# Altium PCB unisat_top.PcbDoc (part 1 of 2)
Units mm, origin at the board's own origin, x right, y up, seen from the top; angles counter-clockwise.
Board outline 111 x 111 mm, 2 copper layers (Top Layer, Bottom Layer), stack 0.98 mm thick; 125 components, 78 nets, 412 pads, 405 vias.
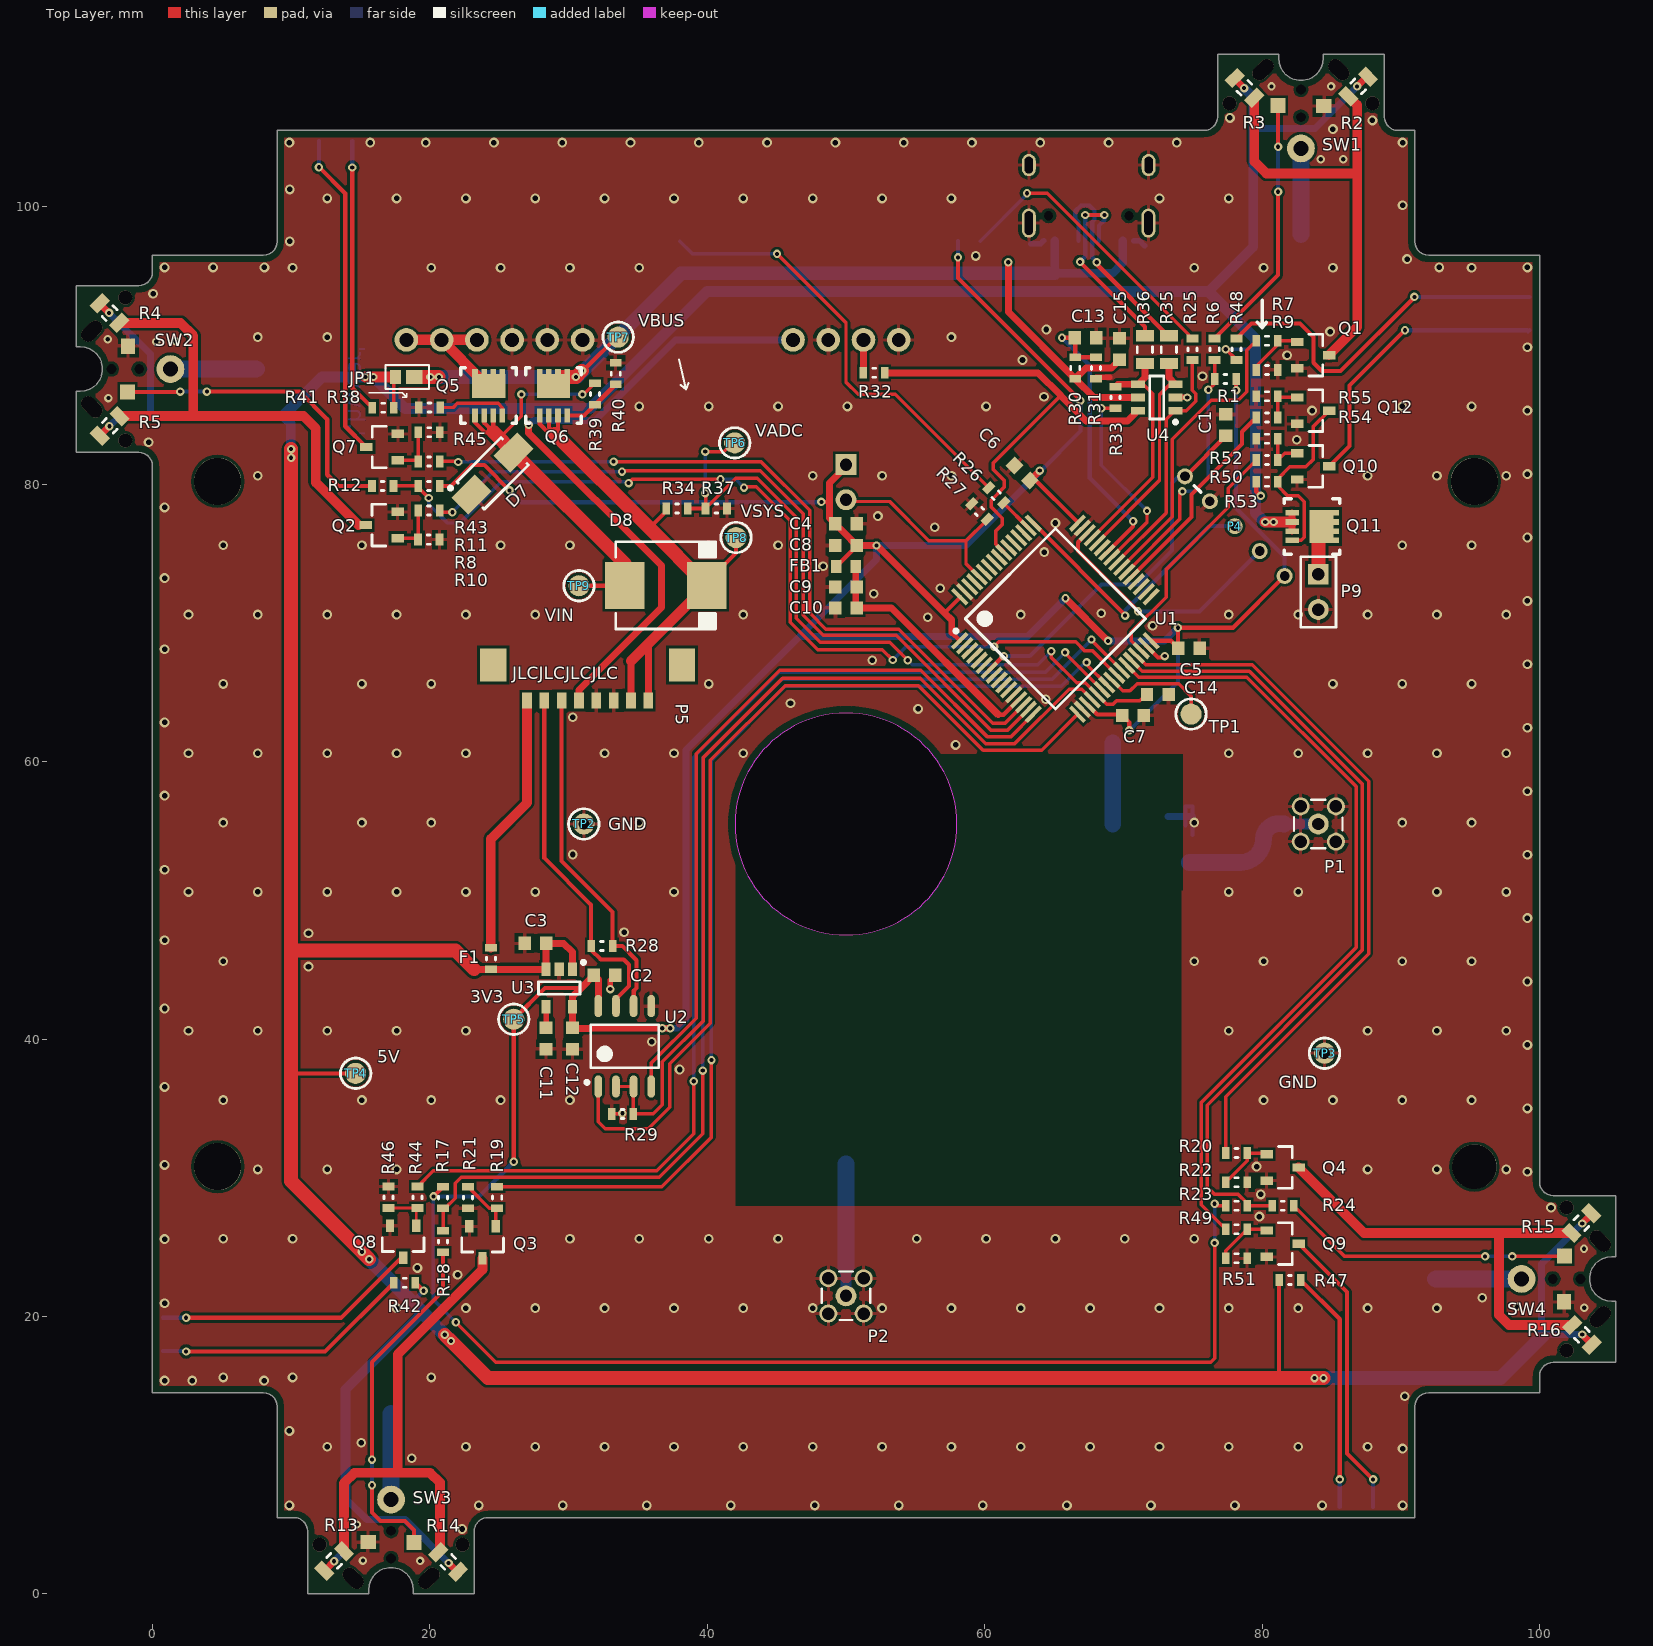
[diagram p0: Top Layer view]
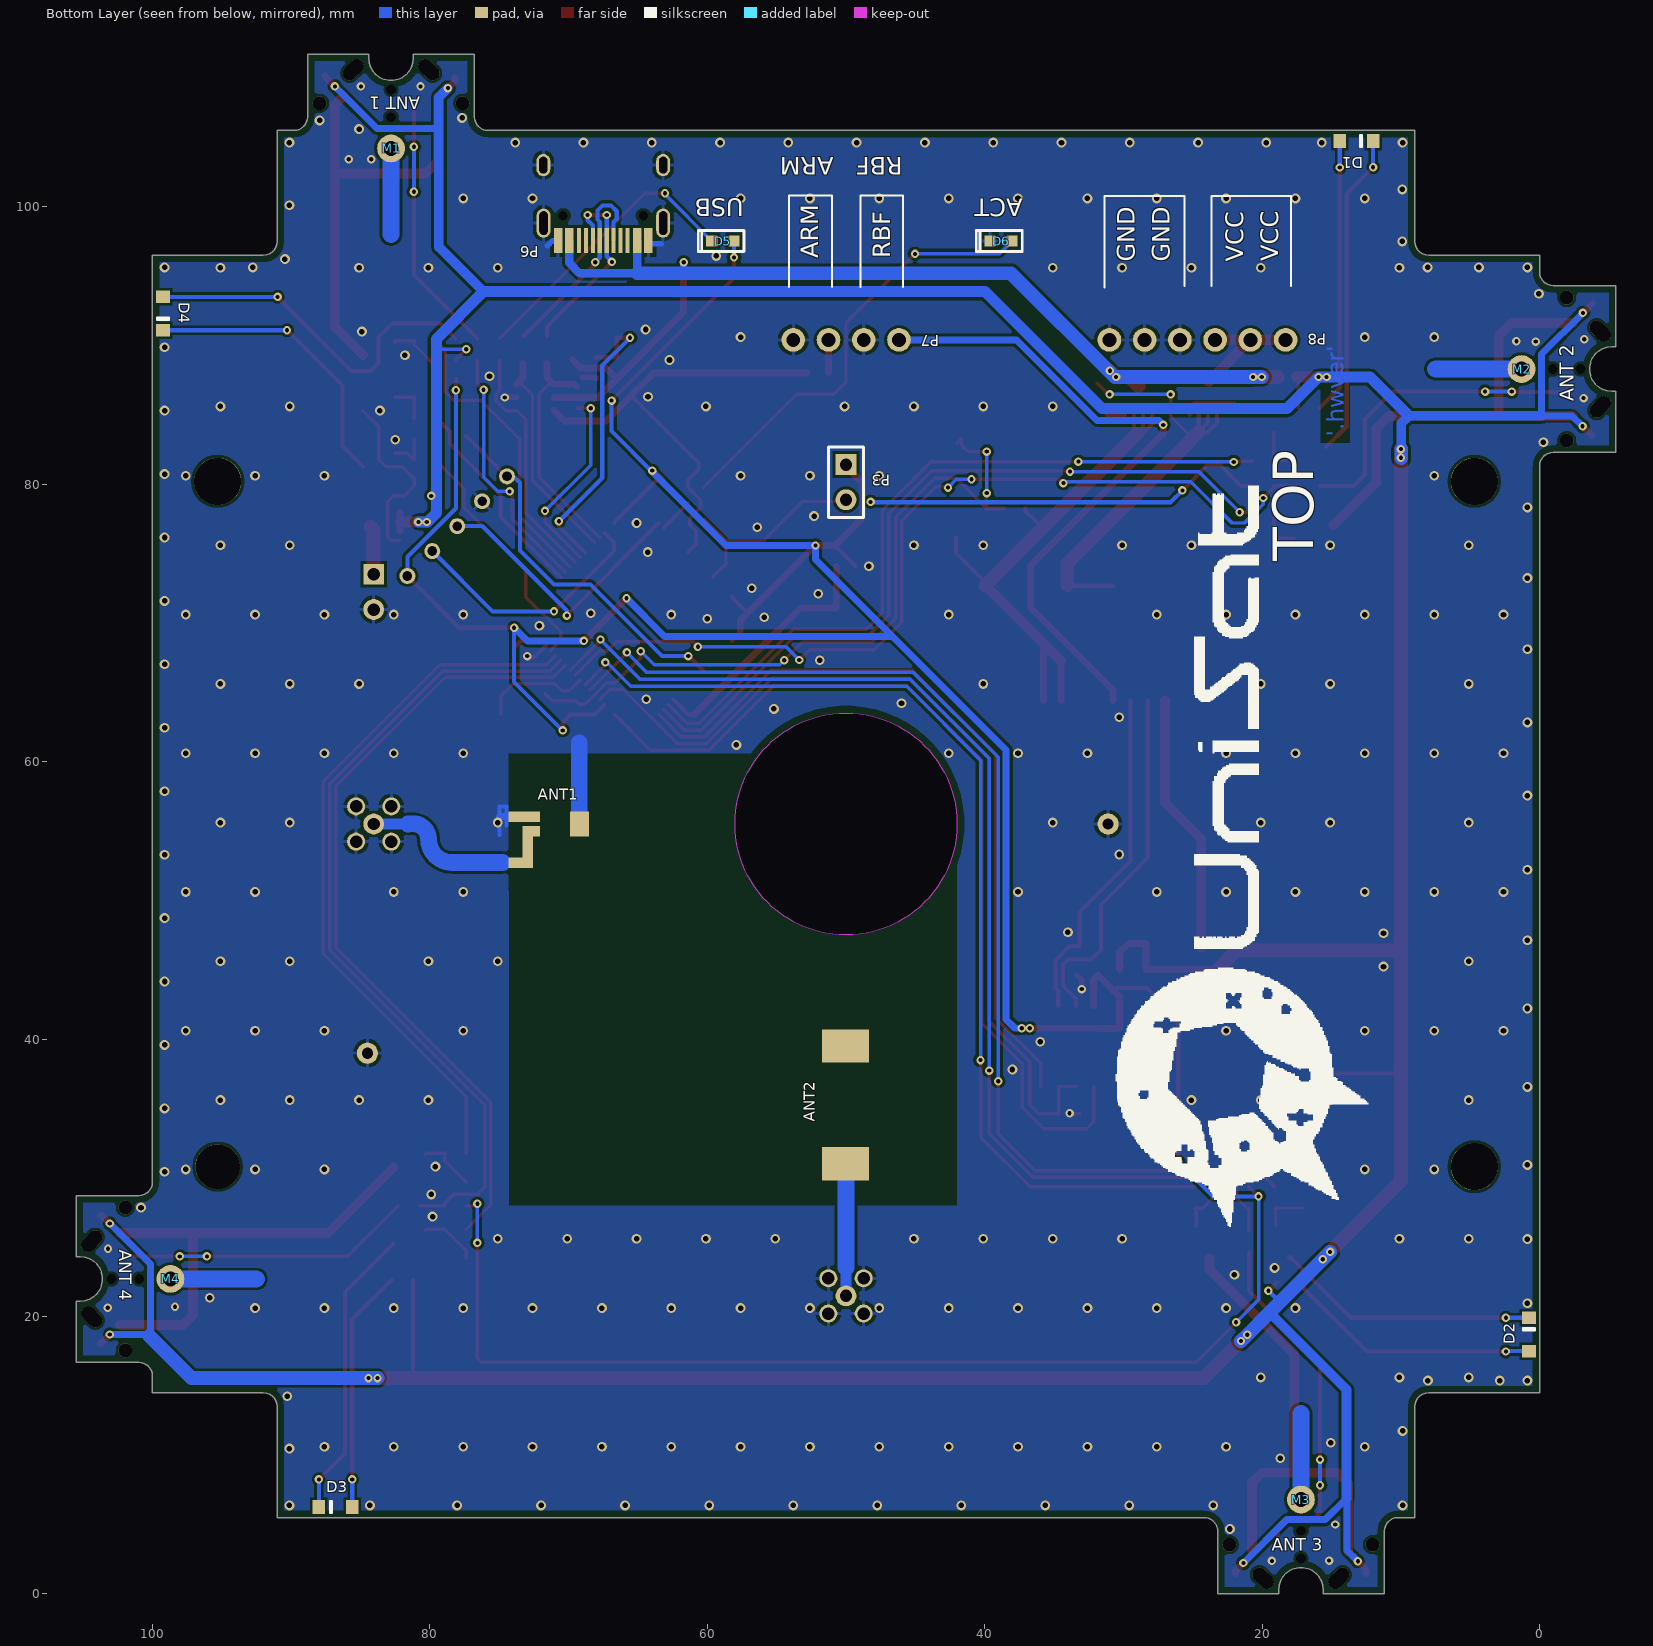
[diagram p1: Bottom Layer view, seen from below]

## Layer stack, top to bottom
Top Solder: solder mask 0.01, Solder Resist, Dk 3.5
Top Layer: signal copper 0.035
Dielectric 1: dielectric 0.91, FR-4, Dk 4.8
Bottom Layer: signal copper 0.035
Bottom Solder: solder mask 0.01, Solder Resist, Dk 3.5

## Board outline
10.2,5.5 10.423,5.475 10.634,5.401 10.823,5.282 10.982,5.123 11.101,4.934 11.175,4.723 11.2,4.5 11.2,0 15.602,0 15.602,0.305 15.637,0.638 15.74,0.956 15.907,1.245 16.131,1.494 16.402,1.691 16.707,1.827 17.034,1.896 17.369,1.896 17.696,1.827 18.002,1.691 18.272,1.494 18.496,1.245 18.663,0.956 18.767,0.638 18.802,0.305 18.802,0 23.2,0 23.2,4.5 cw(c24.2,4.5) 24.2,5.5 91,5.5 91,13.5 91.025,13.723 91.099,13.934 91.218,14.123 91.377,14.282 91.566,14.401 91.777,14.475 92,14.5 100,14.5 100,15.7 100.025,15.923 100.099,16.134 100.218,16.323 100.377,16.482 100.566,16.601 100.777,16.675 101,16.7 105.5,16.7 105.5,21.102 105.195,21.102 104.862,21.137 104.544,21.24 104.255,21.407 104.006,21.631 103.809,21.902 103.673,22.207 103.604,22.534 103.604,22.869 103.673,23.196 103.809,23.502 104.006,23.772 104.255,23.996 104.544,24.163 104.862,24.267 105.195,24.302 105.5,24.302 105.5,28.7 101,28.7 100.777,28.725 100.566,28.799 100.377,28.918 100.218,29.077 100.099,29.266 100.025,29.477 100,29.7 100,96.5 92,96.5 91.777,96.525 91.566,96.599 91.377,96.718 91.218,96.877 91.099,97.066 91.025,97.277 91,97.5 91,105.5 89.8,105.5 89.577,105.525 89.366,105.599 89.177,105.718 89.018,105.877 88.899,106.066 88.825,106.277 88.8,106.5 88.8,111 84.398,111 84.398,110.695 84.363,110.362 84.26,110.044 84.093,109.755 83.869,109.506 83.598,109.309 83.293,109.173 82.966,109.104 82.631,109.104 82.304,109.173 81.998,109.309 81.728,109.506 81.504,109.755 81.337,110.044 81.233,110.362 81.198,110.695 81.198,111 76.8,111 76.8,106.5 76.775,106.277 76.701,106.066 76.582,105.877 76.423,105.718 76.234,105.599 76.023,105.525 75.8,105.5 9,105.5 9,97.5 8.975,97.277 8.901,97.066 8.782,96.877 8.623,96.718 8.434,96.599 8.223,96.525 8,96.5 0,96.5 0,95.3 -0.025,95.077 -0.099,94.866 -0.218,94.677 -0.377,94.518 -0.566,94.399 -0.777,94.325 -1,94.3 -5.5,94.3 -5.5,89.898 -5.195,89.898 -4.862,89.863 -4.544,89.76 -4.255,89.593 -4.006,89.369 -3.809,89.098 -3.673,88.793 -3.604,88.466 -3.604,88.131 -3.673,87.804 -3.809,87.498 -4.006,87.228 -4.255,87.004 -4.544,86.837 -4.862,86.733 -5.195,86.698 -5.5,86.698 -5.5,82.3 -1,82.3 -0.777,82.275 -0.566,82.201 -0.377,82.082 -0.218,81.923 -0.099,81.734 -0.025,81.523 0,81.3 0,14.5 8,14.5 8.223,14.475 8.434,14.401 8.623,14.282 8.782,14.123 8.901,13.934 8.975,13.723 9,13.5 9,5.5
cut-out: 42,55.5 ccw(c50,55.5) 50,47.5 ccw(c50,55.5) 58,55.5 ccw(c50,55.5) 50,63.5 ccw(c50,55.5)

## Design rules (kind name [scope] priority, off if disabled: settings)
BoardOutlineClearance BoardOutlineClearance_ANTSYS [InComponentClass('ant_system') or (isPad and HoleSize = 1)] p1: gap=0.2
BoardOutlineClearance BoardOutlineClearance_LEDS [HasFootprint('LED_0805_RA') or HasFootprint('LED_0805_RA_INV')] p2: gap=0.2
BoardOutlineClearance BoardOutlineClearance_ALL [All] p3: gap=0.5
Clearance Clearance_ALL [All] p1: gap=0.2
ComponentClearance ComponentClearance_SWD [All vs HasFootprint('SWD_CON_VAR2')] p1: gap=-1 collisioncheckmode=3 verticalgap=-3 showdistances=FALSE
ComponentClearance ComponentClearance_ALL [All] p2: gap=0.254 collisioncheckmode=3 verticalgap=0.254 showdistances=FALSE
HoleSize [All] p1: absolutevalues=TRUE maxlimit=6.2 minlimit=0.3 maxpercent=80.000 minpercent=20.000
MinimumAnnularRing [All] p1: minimumring=0.152
MinimumSolderMaskSliver [HasFootprint('TYPE-C-C165948') vs HasFootprint('TYPE-C-C165948')] p1: minsoldermaskwidth=0.075
MinimumSolderMaskSliver MinimumSolderMaskSliver_ALL [All] p2: minsoldermaskwidth=0.102
PolygonConnect PolygonConnect_VIA [InNet('GND') AND IsVia] p1: connectstyle=Direct reliefconductorwidth=0.254 reliefentries=4 polygonreliefangle="90 Angle" airgapwidth=0.254
PolygonConnect PolygonConnect_ALL [All] p2: connectstyle=Relief reliefconductorwidth=0.254 reliefentries=4 polygonreliefangle="90 Angle" airgapwidth=0.254
RoomDefinition balloon_system [InComponentClass('balloon_system')] p1 off: confinementstyle=ConfineIn formatcopy=TRUE lockcomponents=FALSE outline 56.525,-24.4 69.725,-24.4 69.725,-3 56.525,-3
RoomDefinition pwr_system [InComponentClass('pwr_system')] p2 off: confinementstyle=ConfineIn formatcopy=TRUE lockcomponents=FALSE outline 14.2,-24.4 33.6,-24.4 33.6,-3.225 14.2,-3.225
RoomDefinition main [InComponentClass('main')] p3 off: confinementstyle=ConfineIn formatcopy=TRUE lockcomponents=FALSE outline -29.9,-24.4 -10.2,-24.4 -10.2,-3.3 -29.9,-3.3
RoomDefinition led_system [InComponentClass('led_system')] p4 off: confinementstyle=ConfineIn formatcopy=TRUE lockcomponents=FALSE outline 35,-24.4 55.4,-24.4 55.4,-3.2 35,-3.2
RoomDefinition ant_system [InComponentClass('ant_system')] p5 off: confinementstyle=ConfineIn formatcopy=TRUE lockcomponents=FALSE outline -8.3,-24.4 12.4,-24.4 12.4,-3.3 -8.3,-3.3
RoutingVias [All] p1: holewidth=0.3 width=0.605 viastyle="Through Hole" minholewidth=0.3 minwidth=0.605 maxholewidth=0.6 maxwidth=1.2
ShortCircuit ShortCircuit_ANT_SPRING [HasFootprint('ANT_SPRING') vs HasFootprint('ANT_SPRING')] p1: allowed=TRUE
ShortCircuit [All] p2: allowed=FALSE
SilkToSilkClearance [All] p1: silktosilkclearance=-1
SilkToSolderMaskClearance [All] p1: minsilkscreentomaskgap=0.102 clearancetoexposedcopper=TRUE
SolderMaskExpansion [All] p1: expansion=0.102
Width Width_ALL [All] p1: maxlimit=2 minlimit=0.2 preferedwidth=0.3
24 further rules are at their usual default settings.

## Classes and differential pairs
component class pwr_system: C3 C4 C5 C6 C7 C8 C9 C10 C11 C12 C13 C14 C15 C18 C20 CN4 D3 D4 F1 FB1 JP1 P5 P6 P7 P8 Q5 Q6 R30 R31 R32 R33 R34 R35 R36 R37 R38 R39 R40 TP4 TP5 TP6 TP7 TP8 TP9 U1 U3 U4
component class main: C1 C2 D1 D2 P3 P4 R25 R26 R27 R28 R29 TP1 TP2 TP3 U2
component class ant_system: ANT1 ANT2 ANT? M1 M2 M3 M4 P1 P2 P? Q1 Q2 Q3 Q4 Q? R1 R2 R3 R4 R5 R6 R7 R8 R9 R10 R11 R12 R13 R14 R15 R16 R17 R18 R19 R20 R21 R22 R23 R24 R? SW1 SW2 SW3 SW4 SW?
component class led_system: D1 D2 D3 D4 D? Q7 Q8 Q9 Q10 Q? R41 R42 R43 R44 R45 R46 R47 R48 R49 R50 R51 R52 R?
component class balloon_system: P9 Q11 Q12 R53 R54 R55

## Components (designator, comment, footprint, x,y, rotation, side; value= is the part's Value field where it differs from the comment)
ANT1 "ANT3216LL15R1575A" ANT3216LL15 69.22,55.5 r180 bottom
ANT2 "W3070" W3070 50.025,31 r90 bottom
C1 "100n" C0603_IPC_MD 77.375,84.25 r270 top
C2 "100n" C0603_IPC_MD 32.6,44.6 r180 top
C3 "100n" C0603_IPC_MD 27.6,46.9 r180 top
C4 "100n" C0603_IPC_MD 50,77.15 r180 top
C5 "100n" C0603_IPC_MD 74.725,68.175 r180 top
C6 "100n" C0603_IPC_MD 62.7,80.8 r315 top
C7 "1u" C0603_IPC_MD 70.7,63.325 r180 top
C8 "100n" C0603_IPC_MD 50,75.575 r0 top
C9 "100n" C0603_IPC_MD 50,72.575 r0 top
C10 "1u" C0603_IPC_MD 50,71.075 r0 top
C11 "100n" C0603_IPC_MD 28.375,40.05 r270 top
C12 "100n" C0603_IPC_MD 30.275,40.025 r270 top
C13 "10n" C0603_IPC_MD 67.281,90.55 r180 top
C14 "10n" C0603_IPC_MD 72.475,64.825 r180 top
C15 "100n" C0603_IPC_MD 69.725,89.75 r270 top
D1 "APA2107SURCK" LED_0805_RA_INV 13.2,104.75 r180 bottom locked
D2 "APA2107SURCK" LED_0805_RA 0.751,18.7 r270 bottom locked
D3 "APA2107SURCK" LED_0805_RA_INV 86.8,6.25 r0 bottom locked
D4 "APA2107SURCK" LED_0805_RA 99.251,92.3 r90 bottom locked
D5 "LTST-C190GKT" LED_0603 58.875,97.525 r180 bottom
D6 "LTST-C190GKT" LED_0603 38.825,97.525 r180 bottom
D7 "824501121" DIOM4227X25N 24.525,80.775 r45 top
D8 "B540C-13-F" DO-214AB(SMC) 37,72.7 r180 top
F1 "1A" R0603_IPC_MD 24.4,45.8 r270 top
FB1 "MH1608-601Y" L0603_IPC_MD 50,74.075 r0 top
JP1 "Jumper" SOLDERHUMP1 18.375,87.725 r180 top
M1 "*" ANT_SPRING 82.8,104.2 r0 bottom locked
M2 "*" ANT_SPRING 1.3,88.3 r90 bottom locked
M3 "*" ANT_SPRING 17.2,6.8 r180 bottom locked
M4 "*" ANT_SPRING 98.7,22.7 r270 bottom locked
P1 "MMCX VERT TH" MMCX_VERT_TH 84.05,55.5 r90 top
P2 "MMCX VERT TH" MMCX_VERT_TH 50,21.48 r0 top locked
P3 "BOOT0" HDR1X2 50,81.415 r270 bottom
P4 "SWD" SWD_CON_VAR2 74.437,80.563 r45 top
P5 "PicoBlade_8V" PB_53398-0871 31.375,65.68 r180 top
P6 "TYPE-C-31-M-12" TYPE-C-C165948 67.5,103 r0 bottom locked
P7 "A2541WR-4P" PLS-1-4 53.8,90.4 r90 bottom locked
P8 "A2541WR-6P" PLS-1-6 31.01,90.4 r90 bottom locked
P9 "Header 2" HDR1X2 84.05,73.5 r270 top
Q1 "DMG2302UK-7" SOT23 83.675,89.3 r0 top
Q2 "DMG2302UK-7" SOT23 16.525,77.05 r180 top
Q3 "DMG2302UK-7" SOT23 23.8,25.35 r270 top
Q4 "DMG2302UK-7" SOT23 81.475,30.742 r0 top
Q5 "SISH625DN-T1-GE3" SISH625DN 24.24,86.385 r90 top
Q6 "SISH625DN-T1-GE3" SISH625DN 28.91,86.385 r90 top
Q7 "BSS138" SOT23 16.55,82.675 r180 top
Q8 "BSS138" SOT23 18.075,25.375 r270 top
Q9 "BSS138" SOT23 81.475,25.25 r0 top
Q10 "BSS138" SOT23 83.675,81.283 r0 top
Q11 "SISH625DN-T1-GE3" SISH625DN 83.6,76.94 r0 top
Q12 "BSS138" SOT23 83.675,85.3 r0 top
R1 "100k" R0603_IPC_MD 77.35,87.575 r0 top
R2 "20R" R0805_IPC_MD 86.925,108.675 r45 top
R3 "20R" R0805_IPC_MD 78.725,108.575 r135 top
R4 "20R" R0805_IPC_MD -3.095,92.331 r135 top
R5 "20R" R0805_IPC_MD -3.079,84.2 r225 top
R6 "330R" R0603_IPC_MD 76.575,89.725 r270 top
R7 "330R" R0603_IPC_MD 80.35,90.338 r180 top
R8 "330R" R0603_IPC_MD 19.925,78.1 r0 top
R9 "100k" R0603_IPC_MD 80.35,88.238 r180 top
R10 "100k" R0603_IPC_MD 19.916,76 r180 top
R11 "100k" R0603_IPC_MD 19.925,79.868 r0 top
R12 "330R" R0603_IPC_MD 16.6,79.875 r0 top
R13 "20R" R0805_IPC_MD 13.1,2.375 r225 top
R14 "20R" R0805_IPC_MD 21.325,2.3 r315 top
R15 "20R" R0805_IPC_MD 103.013,26.725 r45 top
R16 "20R" R0805_IPC_MD 103.054,18.675 r315 top
R17 "100k" R0603_IPC_MD 20.95,28.566 r90 top
R18 "330R" R0603_IPC_MD 20.95,25.4 r90 top
R19 "330R" R0603_IPC_MD 24.85,28.575 r90 top
R20 "330R" R0603_IPC_MD 78.15,31.78 r180 top
R21 "100k" R0603_IPC_MD 22.75,28.566 r90 top
R22 "100k" R0603_IPC_MD 78.15,29.68 r180 top
R23 "100k" R0603_IPC_MD 78.15,27.984 r180 top
R24 "330R" R0603_IPC_MD 81.5,27.984 r180 top
R25 "330R" R0603_IPC_MD 74.975,89.725 r270 top
R26 "330R" R0603_IPC_MD 60.825,79.2 r135 top
R27 "100k" R0603_IPC_MD 59.625,78.025 r315 top
R28 "120R" R0603_IPC_MD 32.4,46.7 r0 top
R29 "100k" R0603_IPC_MD 33.9,34.6 r0 top
R30 "97.6k" R0603_IPC_MD 66.525,88.375 r270 top
R31 "100k" R0603_IPC_MD 68.025,88.375 r270 top
R32 "330R" R0603_IPC_MD 52.025,88.025 r180 top
R33 "1k5" R0603_IPC_MD 69.425,86.25 r270 top
R34 "97.6k" R0603_IPC_MD 37.825,78.25 r180 top
R35 "20R" R0805_IPC_MD 73.275,89.7 r270 top
R36 "20R" R0805_IPC_MD 71.55,89.7 r270 top
R37 "22.1k" R0603_IPC_MD 40.65,78.25 r180 top
R38 "100k" R0603_IPC_MD 19.975,85.525 r180 top
R39 "330R" R0603_IPC_MD 31.9,86.5 r90 top
R40 "100k" R0603_IPC_MD 33.4,87.975 r90 top
R41 "150R" R0603_IPC_MD 16.625,85.503 r0 top
R42 "150R" R0603_IPC_MD 18.175,22.425 r0 top
R43 "330R" R0603_IPC_MD 19.941,81.637 r0 top
R44 "330R" R0603_IPC_MD 19.113,28.591 r90 top
R45 "100k" R0603_IPC_MD 19.941,83.737 r0 top
R46 "100k" R0603_IPC_MD 17.013,28.591 r90 top
R47 "150R" R0603_IPC_MD 82,22.625 r180 top
R48 "150R" R0603_IPC_MD 78.15,89.725 r270 top
R49 "330R" R0603_IPC_MD 78.15,26.288 r180 top
R50 "330R" R0603_IPC_MD 80.35,81.733 r180 top
R51 "100k" R0603_IPC_MD 78.15,24.188 r0 top
R52 "100k" R0603_IPC_MD 80.35,83.268 r180 top
R53 "100k" R0603_IPC_MD 80.35,80.175 r0 top
R54 "330R" R0603_IPC_MD 80.35,84.803 r180 top
R55 "100k" R0603_IPC_MD 80.35,86.338 r180 top
SW1 "D3SH-A1R" D3SH-A1R 82.8,107.3 r0 top locked
SW2 "D3SH-A1R" D3SH-A1R -1.8,88.3 r90 top locked
SW3 "D3SH-A1R" D3SH-A1R 17.2,3.7 r180 top locked
SW4 "D3SH-A1R" D3SH-A1R 101.8,22.7 r270 top locked
TP1 "Test Point" TestPoint_1M5 74.875,63.425 r0 top
TP2 "GND" TestPoint_1M5_TH 31.1,55.5 r0 top
TP3 "GND" TestPoint_1M5_TH 84.5,38.975 r0 top
TP4 "5V" TestPoint_1M5 14.65,37.525 r0 top
TP5 "3V3" TestPoint_1M5 26.05,41.425 r0 top
TP6 "VADC" TestPoint_1M5 41.975,82.975 r0 top
TP7 "VBUS" TestPoint_1M5 33.575,90.6 r0 top
TP8 "VSYS" TestPoint_1M5 42.075,76.15 r0 top
TP9 "VIN" TestPoint_1M5 30.75,72.675 r0 top
U1 "STM32L073RZT6" LQFP64_10X10MM 65.1,70.3 r45 top locked
U2 "ST1480ABDR" SOIC-8 34.05,39.475 r90 top
U3 "MIC5219-3.3YM5-TR" SOT23-5_(MT) 29.325,43.675 r270 top
U4 "TPD4E001DBVR" SOT23-6 72.4,86.25 r180 top

## Footprints (in the part's own frame and the unit in brackets; to place one, negate y for a bottom-side part, rotate by r counter-clockwise, add the part's x,y. Pads: shape width x height; smd on the part's side, far side on the other; paste and mask are expansions set on the pad)
ANT3216LL15 [mm]
  rect 1.25x0.75 smd mask-2: 1(-4.48,-2.785)
  rect 0.75x3 smd mask-2: 1(-3.73,-1.66)
  rect 1.25x0.74 smd: 1(-3.48,-0.53)
  rect 2.25x0.74 smd mask-2: 2(-3.98,0.53)
  rect 1.35x1.8 smd: 2(0,0)
  Top Layer pour cut-out: -5.11,1.2 0.68,1.2 0.68,-4.8 -5.11,-4.8
  body extent -3.35,-0.8 -0.15,0.8, height 1.2
ANT_SPRING [mm] "TOP ANT SPRING"
  round 2 hole 1.1: 0(0,0)
  Top Layer region: -0.6,6.2 -0.554,6.43 -0.424,6.624 -0.23,6.754 0,6.8 0,6.8 0.23,6.754 0.424,6.624 0.554,6.43 0.6,6.2 0.6,6.2 0.6,0.6 0.554,0.37 0.424,0.176 0.23,0.046 0,0 0,0 -0.23,0.046 -0.424,0.176 -0.554,0.37 -0.6,0.6 -0.6,0.6
C0603_IPC_MD [mm] "Chip Capacitor, 2-Leads, Body 1,60x0,80mm, IPC Medium Density"
  rect 0.9x0.95 smd: 1(-0.775,0) 2(0.775,0)
  body extent -0.8,-0.4 0.8,0.4, height 0.8
D3SH-A1R [mm] "SWITCH DETECTOR SPST-NO 1MA 5V"
  round 0 hole 0.7 unplated: 0(0,-0.85) 0(0,1.15)
  rect 1.1x1.1 smd: 1(-1.65,0)
  rect 1.1x1 smd: 2(1.65,-0.05)
  body extent -1.89,-1.65 1.89,3.35, height 0.9
DIOM4227X25N [mm] "Molded Diode, 2-Leads, Body 4,24x2,67mm, IPC Medium Density"
  rect 2.4x1.7 smd: 1(-2.15,0) 2(2.15,0)
  silkscreen extent -3.02,-1.4 2.25,1.52, body extent -2.47,-1.4 2.47,1.4, height 2.5
DO-214AB(SMC) [mm] "Molded Diode, 2-Leads, Body 6,85x5,90mm, IPC Low Density"
  rect 2.85x3.39 smd: 1(-2.95,0) 2(2.95,0)
  silkscreen extent -3.6,-3.15 3.6,3.15, body extent -3.77,-3.11 3.77,3.11, height 2.62
HDR1X2 [mm] "Connector; Header; 2 Position"
  rect 1.5x1.5 hole 0.9: 1(0,0)
  round 1.5 hole 0.9: 2(2.54,0)
  silkscreen extent -1.27,-1.27 3.81,1.27
L0603_IPC_MD [mm] "Chip Inductor, 2-Leads, Body 1,60x0,80mm, IPC Medium Density"
  rect 0.75x0.94 smd: 1(-0.705,0) 2(0.705,0)
  body extent -0.85,-0.4 0.85,0.4, height 0.8
LED_0603 [mm]
  rect 0.8x0.8 smd: 1(-0.8,0) 2(0.8,0)
  silkscreen extent -1.78,-0.76 1.52,0.76, body extent -0.85,-0.4 0.85,0.4, height 0.66
LED_0805_RA [mm]
  rect 0.9x1 smd: 1(-1.2,0) 2(1.2,0)
  silkscreen extent -0.45,-0.43 -0.3,0.43, body extent -1.05,-0.25 1.05,0.75, height 0.6
LED_0805_RA_INV [mm]
  rect 0.9x1 smd: 1(1.2,0) 2(-1.2,0)
  silkscreen extent 0.25,-0.43 0.4,0.43, body extent -1.05,-0.25 1.05,0.75, height 0.6
LQFP64_10X10MM [mm] "LQFP, 64-Leads, Body 10,00x10,00mm, Pitch 0,50mm, IPC Medium Density"
  rect 1.5x0.3 smd: 1(-6,3.75) 2(-6,3.25) 3(-6,2.75) 4(-6,2.25) 5(-6,1.75) 6(-6,1.25) 7(-6,0.75) 8(-6,0.25) 9(-6,-0.25) 10(-6,-0.75) 11(-6,-1.25) 12(-6,-1.75) 13(-6,-2.25) 14(-6,-2.75) 15(-6,-3.25) 16(-6,-3.75) 33(6,-3.75) 34(6,-3.25) 35(6,-2.75) 36(6,-2.25) 37(6,-1.75) 38(6,-1.25) 39(6,-0.75) 40(6,-0.25) 41(6,0.25) 42(6,0.75) 43(6,1.25) 44(6,1.75) 45(6,2.25) 46(6,2.75) 47(6,3.25) 48(6,3.75)
  rect 0.3x1.5 smd: 17(-3.75,-6) 18(-3.25,-6) 19(-2.75,-6) 20(-2.25,-6) 21(-1.75,-6) 22(-1.25,-6) 23(-0.75,-6) 24(-0.25,-6) 25(0.25,-6) 26(0.75,-6) 27(1.25,-6) 28(1.75,-6) 29(2.25,-6) 30(2.75,-6) 31(3.25,-6) 32(3.75,-6) 49(3.75,6) 50(3.25,6) 51(2.75,6) 52(2.25,6) 53(1.75,6) 54(1.25,6) 55(0.75,6) 56(0.25,6) 57(-0.25,6) 58(-0.75,6) 59(-1.25,6) 60(-1.75,6) 61(-2.25,6) 62(-2.75,6) 63(-3.25,6) 64(-3.75,6)
  silkscreen extent -5.82,-4.6 4.6,4.6, body extent -6,-6 6,6, height 1.6
MMCX_VERT_TH [mm]
  round 1.3 hole 0.9 mask+0.051: 1(-1.27,-1.27) 1(-1.27,1.27) 1(1.27,-1.27) 1(1.27,1.27)
  round 1.5 hole 0.9 mask+0.051: 2(0,0)
  silkscreen extent -1.75,-1.75 1.75,1.75, body extent -1.75,-1.76 1.75,1.75, height 4.45
PB_53398-0871 [mm] "CONN HEADER SMD 8POS 1.25MM"
  rect 1.9x2.4 smd: 0(-6.8,-1.28) 0(6.8,-1.28)
  rect 0.7x1.18 smd: 1(-4.375,1.28) 2(-3.125,1.28) 3(-1.875,1.28) 4(-0.625,1.28) 5(0.625,1.28) 6(1.875,1.28) 7(3.125,1.28) 8(4.375,1.28)
  body extent -7.59,-2.44 7.56,1.76, height 4.72
PLS-1-4 [mm]
  round 1.7 hole 1 paste+0: 1(0,0) 2(0,-2.54) 3(0,-5.08) 4(0,-7.62)
  body extent -0.32,-8.89 10.04,1.27, height 2.54
PLS-1-6 [mm]
  round 1.7 hole 1 paste+0: 1(0,0) 2(0,-2.54) 3(0,-5.08) 4(0,-7.62) 5(0,-10.16) 6(0,-12.7)
  body extent -0.32,-13.97 10.04,1.27, height 2.54
R0603_IPC_MD [mm] "Chip Resistor, 2-Leads, Body 1,60x0,80mm, IPC Medium Density"
  rect 0.55x0.85 smd: 1(-0.775,0) 2(0.775,0)
  silkscreen extent -0.1,-0.33 0.1,0.33, body extent -0.85,-0.4 0.85,0.4, height 0.45
R0805_IPC_MD [mm] "Chip Resistor, 2-Leads, Body 2,00x1,25mm, IPC Medium Density"
  rect 0.8x1.3 smd: 1(-1,0) 2(1,0)
  silkscreen extent -0.2,-0.55 0.2,0.55, body extent -1.05,-0.63 1.05,0.63, height 0.5
SISH625DN [mm] "Mount PowerPAK® 1212-8SH P-Channel 30V 17.3A"
  rect 0.99x0.405 smd mask+0.051: 1(-1.435,-0.33) 1(-1.435,0.33) 1(-1.435,0.99) 2(-1.435,-0.99)
  rect 1.725x2.39 smd mask+0.051: 3(0.69,0)
  rect 0.76x0.405 smd mask+0.051: 3(1.55,-0.99) 3(1.55,-0.33) 3(1.55,0.33) 3(1.55,0.99)
  silkscreen extent -2,-2 2,2, body extent -1.77,-1.77 1.77,1.78, height 1.05
SOIC-8 [mm] "SOIC, 8-Leads, Body 4.93x3.94mm, Pitch 1.27mm, IPC High Density"
  oval 1.6x0.55 smd: 1(-2.9,1.905) 2(-2.9,0.635) 3(-2.9,-0.635) 4(-2.9,-1.905) 5(2.9,-1.905) 6(2.9,-0.635) 7(2.9,0.635) 8(2.9,1.905)
  silkscreen extent -2.72,-2.45 1.55,2.85, body extent -3,-2.45 3,2.45, height 1.63
SOLDERHUMP1 [mm]
  rect 1.22x1.02 smd paste-10 mask+0.1: 1(-0.5,0)
  rect 0.8x1.02 smd paste-10 mask+0.1: 2(0.84,0)
  silkscreen extent -1.56,-0.86 1.59,0.86
SOT23 [mm] "SOT23, 3-Leads, Body 2,90x2,30mm, Pitch 0,95mm, IPC Medium Density"
  rect 0.9x0.6 smd: 1(-1.15,0.95) 2(-1.15,-0.95) 3(1.15,0)
  silkscreen extent -0.3,-1.5 0.7,1.5, body extent -1.25,-1.5 1.25,1.5, height 1.1
SOT23-5_(MT) [mm] "SOT23, 5-Leads, Body 2,90x2,80mm, Pitch 0,95mm, IPC Medium Density"
  rect 1x0.66 smd mask+0.051: 1(-1.35,0.95) 2(-1.35,0) 3(-1.35,-0.95) 4(1.35,-0.95) 5(1.35,0.95)
  silkscreen extent -1.97,-1.5 0.45,1.88, body extent -1.45,-1.5 1.45,1.5, height 1.45
SOT23-6 [mm] "SOT23, 6-Leads, Body 2,90x2,80mm, Pitch 0,95mm, IPC Medium Density"
  rect 1x0.55 smd: 1(-1.35,0.95) 2(-1.35,0) 3(-1.35,-0.95) 4(1.35,-0.95) 5(1.35,0) 6(1.35,0.95)
  silkscreen extent -1.48,-1.55 0.5,1.9, body extent -1.5,-1.53 1.5,1.53, height 1.45
SWD_CON_VAR2 [mm] "Variant 1"
  round 1.15 hole 0.7: 1(0,0) 2(0,-2.54) 3(0,-5.08) 4(0,-7.62) 5(0,-10.16)
  silkscreen extent 0,-1.6 0,-0.95
TestPoint_1M5 [mil] "Test Point d=1.5mm"
  round 60 smd paste-393.7: 0(0,0)
  silkscreen extent -43,-43 43,43
TestPoint_1M5_TH [mil] "Test Point d=1.5mm"
  round 60 hole 31.5 paste-393.7: 0(0,0)
  silkscreen extent -43,-43 43,43
TYPE-C-C165948 [mm] "USB TYPE C"
  rect 0x0 hole 0.65 unplated rot 45: 0(-2.89,3.65) 0(2.89,3.65)
  rect 0.6x1.8 smd mask+0.051: A1(-3.25,5.45) A4(-2.45,5.45) A9(2.45,5.45) A12(3.25,5.45)
  rect 0.3x1.8 smd mask+0.051: A5(-1.25,5.45) A6(-0.25,5.45) A7(0.25,5.45) A8(1.25,5.45) B5(1.75,5.45) B6(0.75,5.45) B7(-0.75,5.45) B8(-1.75,5.45)
  oval 1x2.1 hole 0.6 slot 1.7 at 90 deg: SH1(-4.32,4.18) SH4(4.3,4.18)
  oval 1x1.6 hole 0.6 slot 1.2 at 90 deg: SH2(-4.32,0) SH3(4.32,0)
  body extent -4.47,-2.6 4.47,5.3, height 3.21
W3070 [mm] "GMS ANTENNA"
  rect 2.4x3.4 smd: 1(0,0) 2(8.5,0)
  body extent -0.85,-1.57 9.35,1.58, height 2.1

## Part data
ANT1: "RF ANT 1.575GHZ CHIP SOLDER SMD"
ANT2: "RF ANT 900MHZ/1.8GHZ CHIP SLD"
C1 C2 C3 C4 C5 C6 C8 C9 C11 C12 C15: library part CL10B104KO8NNNC, "CAP CER 0.1UF 16V X7R 0603"
C7 C10: library part CL10B105MO8NNWC, "CAP CER 1UF 16V X7R 0603"
C13 C14: library part CL10B103KB8NNNC, "CAP CER 0.01UF 50V X7R 0603"
D1 D2 D3 D4: "LED RED CLEAR SMD R/A"
D5 D6: "LED GREEN CLEAR CHIP SMD 0603"
D7: library part 824501121_TVS, "TVS DIODE 12V 19.9V DO214AC"
D8: "DIODE SCHOTTKY 40V 5A DO214AB"
F1: library part MFU0603FF01000P500, "FUSE BOARD MOUNT 1A 32VDC 0603"
FB1: "FERRITE BEAD 600R@100MHz 0603 for Power Line, 1000mA"
JP1: "Jumper 2.54mm 1 pos"
M1 M2 M3 M4: library part ANT_SPRING, "Antenna spring soldering pad"
P1 P2: library part MMCX_VERT, "MMCX PCB TH VERT CONN"
P3: library part "Header 2", "Header, 2-Pin"
P4: library part SWD-CONNECTOR_VAR1, "SWDIO SWCLK VDD GND NRST"
P5: "Connector Header Surface Mount, Right Angle 8 position 0.049\" (1.25mm)"
P6: "TYPE C PCB TH CONN"
P7 P8: "Pin Header / Female Header 0.100\"(2.54mm) Plugin P=2.54mm RoHS"
P9: "Header, 2-Pin"
Q1 Q2 Q3 Q4: library part DMG2302, "N-Channel Logic Level Enhancement Mode Field Effect Transistor"
Q5 Q6 Q11: library part SISH625DN-T1, "P-Channel 30V 17.3A (Ta), 35A (Tc) 3.7W (Ta), 52W (Tc) Surface Mount PowerPAK® 1212-8SH"
Q7 Q8 Q9 Q10 Q12: "N-Channel Logic Level Enhancement Mode Field Effect Transistor"
R1 R9 R10 R11 R17 R21 R22 R23 R27 R29 R31 R38 R40 R45 R46 R51 R52 R53 R55: library part RMCF0603FT100K, "RES 100K OHM 1% 1/10W 0603"
R2 R3 R4 R5 R13 R14 R15 R16 R35 R36: library part RC0805JR-0720RL, "RES SMD 20 OHM 5% 1/8W 0805"
R6 R7 R8 R12 R18 R19 R20 R24 R25 R26 R32 R39 R43 R44 R49 R50 R54: library part CR0603-JW-331ELF, "RES SMD 330 OHM 5% 1/10W 0603"
R28: library part RC0603JR-07120RL, "RES SMD 120 OHM 5% 1/10W 0603"
R30 R34: library part RC0603FR-0797K6L, "RES SMD 97.6K OHM 1% 1/10W 0603"
R33: library part RC0603JR-071K5L, "RES SMD 1.5K OHM 5% 1/10W 0603"
R37: library part RC0603FR-0722K1L, "RES SMD 22.1K OHM 1% 1/10W 0603"
R41 R42 R47 R48: library part RMCF0603FT150R, "RES 150 OHM 1% 1/10W 0603"
SW1 SW2 SW3 SW4: "SWITCH DETECTOR SPST-NO 1MA 5V"
TP1: library part TP
TP2 TP3 TP4 TP5 TP6 TP7 TP8 TP9: library part TP, "Test Point"
U1: "Ultra-low-power 32-bit MCU ARM®-based Cortex®-M0+"
U2: "IC TXRX 3.3V RS485/422 8 SOIC"
U3: "IC REG LINEAR 3.3V 500MA SOT23-5"
U4: "4x TVS DIODE 5.5V SOT23-6"

## Free pads (board coordinates)
  oval 1.74x1 hole 1 slot 1.74 at 45 deg unplated rot 45 paste+0 mask+0: 0(-4.375,91.03) 0(19.935,1.125) 0(80.065,109.875) 0(104.375,19.97)
  oval 1.74x1 hole 1 slot 1.74 at 135 deg unplated rot 135 paste+0 mask+0: 0(-4.375,85.565) 0(14.47,1.125) 0(85.53,109.875) 0(104.375,25.435)
  round 1 hole 1 unplated paste+0 mask+0: 1(-1.955,83.146) 1(-1.955,93.451) 1(12.049,3.545) 1(22.354,3.545) 1(77.646,107.455) 1(87.951,107.455) 1(101.955,17.549)
  round 3.4 hole 3.4 unplated: 1(4.7,30.8) 1(4.7,80.2) 1(95.3,80.2)
  round 3.2 hole 3.2 unplated: 1(95.3,30.8)
  round 1 hole 1 unplated mask+0: 1(101.955,27.854)

## Via types
v1: diameter 0.705, hole 0.4, Top Layer to Bottom Layer, tented both sides, 287 vias
v2: diameter 0.605, hole 0.3, Top Layer to Bottom Layer, tented both sides, 118 vias

## Nets (pads, with @x,y where several pads share a name; then routed paths per layer and width w, separated by ;. In a path a pad name is that pad's centre, name@x,y a point inside that pad or via, vN(x,y) a via of type N, cw(c..) or ccw(c..) an arc to the next point about the centre after c; other vN are vias at no path point)
+3V3: C2.2 C4.2 C5.2 C6.2 C7.2 C8.2 C12.1 D5.2 FB1.1 P3.1 P4.5 R1.2 R11.2 R17.2 R23.2 TP5.0 U1.1 U1.19 U1.32 U1.48 U1.64 U2.8 U3.5 | length 320.8
  Top Layer w0.25: v2(21.875,19.575) 24.75,16.7 76.3,16.7 76.575,16.975 v2(76.575,25.3) ; v2(76.575,28.125) 76.716,27.984 R23.2@77.375,27.984
  Top Layer w0.3: v2(20.259,28.65) R17.2@20.95,29.341 ; R11.2@20.7,79.868 21.518,79.868 23.025,81.375 23.925,81.375 v2(25.75,79.55) ; v2(26.05,31.15) TP5.0@26.05,41.425 28.312,43.687 30.912,43.687 ; v2(48.225,78.725) 48.725,78.725 48.8,78.8 ; FB1.1@49.295,74.075 C8.2@50.775,75.555 ; 57.1,70.725 58.206,71.831 U1.64@58.206,71.891 ; 57.625,69.29 U1.1@58.206,68.709 ; v2(58.075,96.35) 58.075,94.85 v2(66.9,86.025) ; C6.2@63.498,80.452 66.691,77.259 U1.48@66.691,77.194 ; U1.19@67.398,64.113 68.111,63.4 C7.2@69.925,63.4 ; C7.2@69.925,63.325 70.425,62.825 v2(70.425,62.25) ; U1.32@71.994,68.709 73.416,68.709 73.925,68.2 v2(73.925,69.65) 77.892,69.65 P4.5@81.621,73.379 ; v2(78.125,86.775) R1.2@78.125,87.575
  Top Layer w0.5: U2.8@32.145,42.375 32.145,44.28 C2.2@31.825,44.6 30.912,43.687 30.275,43.05 U3.5@30.275,42.325 C12.1@30.275,40.8 30.325,40.75 31.625,40.75 31.65,40.775 v2(36.75,40.775) v2(37.325,40.775) ; P3.1@50,81.29 48.8,80.09 48.8,78.8 48.8,77.575 C4.2@49.225,77.15 49.225,77.125 49.85,76.5 49.864,76.5 50.775,75.589 C8.2@50.775,75.575 ; C8.2@50.775,75.555 C8.2@50.775,75.575 ; v2(52.2,75.575) C8.2@50.775,75.575 ; v2@52.25,75.575 57.1,70.725 57.625,70.2 57.625,69.29 ; C6.2@63.248,80.252 v2(63.971,80.975) ; v2(65.825,71.775) v2(68.9,68.7)
  Bottom Layer w0.25: v2(20.259,28.65) 20.259,21.191 v2(21.875,19.575) ; v2(76.575,25.3) v2(76.575,28.125)
  Bottom Layer w0.3: v2(20.259,28.65) 23.55,28.65 v2(26.05,31.15) ; v2(25.75,79.55) 26.603,78.697 48.197,78.697 v2(48.225,78.725) ; v2(58.075,96.35) D5.2@58.075,97.525 ; v2@63.971,80.896 66.9,83.825 v2(66.9,86.025) ; v2(70.425,62.25) 73.925,65.75 v2(73.925,69.65) ; v2(78.125,86.775) 78.125,78.264 81.621,74.768 P4.5@81.621,73.379
  Bottom Layer w0.5: v2(37.325,40.775) 37.825,40.775 38.45,41.4 38.45,60.825 46.653,69.027 ; v2@63.971,80.896 58.65,75.575 v2(52.2,75.575) 52.2,74.575 46.653,69.027 ; v2(65.825,71.775) 63.077,69.027 46.653,69.027 ; v2(68.9,68.7) 72.975,68.7 v2(73.925,69.65)
+5V: C3.1 F1.2 JP1.2 Q11.1 R2.2 R3.2 R4.2 R5.2 R13.2 R14.2 R15.2 R16.2 R41.2 R42.2 R47.2 R48.2 R53.1 TP4.0 U3.1 U3.3 | length 395.7
  Top Layer w0.25: R41.2@17.4,85.503 17.4,87.59 JP1.2@17.535,87.725 ; v2(77.375,89.725) R48.2@78.15,88.95
  Top Layer w0.3: 10,37.5 10.025,37.525 TP4.0@14.65,37.525 ; 10,42.85 10.075,42.775 ; R42.2@18.95,22.425 19.525,21.85 v2(19.55,21.85) ; U3.1@30.125,45.175 U3.1@30.275,45.025 ; R53.1@79.575,80.175 79.575,79.475 v2(79.9,79.15) ; 81.075,15.55 81.225,15.7 R47.2@81.225,22.625
  Top Layer w0.5: R4.2@-3.802,93.038 -3.802,93.027 v2(-3.125,92.35) ; R5.2@-3.786,83.493 v2(-3.1,84.179) ; 10,32.05 10.025,32.075 ; R13.2@12.501,1.476 12.501,1.751 v2(13.1,2.35) ; v2(21.35,2.225) 21.927,1.648 21.927,1.487 R14.2@21.938,1.476 ; 23.2,45.025 F1.2@24.4,45.025 U3.3@28.175,45.025 ; U3.3@28.375,45.025 C3.1@28.375,46.9 29.65,46.9 30.275,46.275 U3.1@30.275,45.025 ; R3.2@78.193,109.332 78.193,109.057 v2(78.7,108.55) ; Q11.1@82.165,76.61 Q11.1@82.165,77.27 Q11.1@82.165,77.93 ; v2(86.85,108.675) 87.563,109.388 R2.2@87.563,109.427 ; v2(103.075,18.7) R16.2@103.745,18.03 ; v2(103.075,26.7) 103.67,27.295 R15.2@103.745,27.295
  Top Layer w0.7: 10,68.675 10.01,68.685
  Top Layer w0.8: v2(15.35,87.725) v2(15.925,87.725) JP1.2@17.535,87.725 ; v2(80.225,77.275) v2(80.825,77.275) ; v2(80.825,77.275) 80.83,77.27 Q11.1@82.165,77.27 82.16,77.275 v2(80.825,77.275)
  Top Layer w1: v2(10,82.525) v2(10,81.9) 10,68.675 10,46.375 ; v2(15.625,24.125) v2(15.1,24.65) 10,29.75 10,32.05 10,37.5 10,42.85 10,46.375 ; v2(21.075,18.675) v2(21.525,18.225) 24.2,15.55 81.075,15.55 v2(83.775,15.55) v2(84.425,15.55) ; 23.2,45.025 21.85,46.375 10,46.375
  Bottom Layer w0.25: v2(77.375,89.725) 79.5,89.725 79.525,89.7
  Bottom Layer w0.3: v2@9.975,81.875 v2(10,81.9) v2(10,82.525) ; 18.725,21.025 v2(19.55,21.85)
  Bottom Layer w0.5: v2(-3.125,92.35) -0.15,89.375 -0.15,84.95 -0.175,84.925 -2.354,84.925 v2(-3.1,84.179) ; v2(13.1,2.35) 13.875,3.125 13.875,6.875 ; 13.925,6.875 15.45,5.35 18.225,5.35 v2(21.35,2.225) ; 79.35,105.825 79.525,105.65 83.825,105.65 v2(86.85,108.675) ; 100.225,18.6 100.15,18.675 ; v2(103.075,18.7) 100.175,18.7 100.15,18.675 ; v2(103.075,26.7) 100.15,23.775 100.15,18.675
  Bottom Layer w0.7: -0.175,84.925 9.425,84.925 9.975,84.375 v2@9.975,82.525 ; 13.925,6.875 13.925,14.725 19.475,20.275 ; 76.125,93.875 79.35,97.1 79.35,105.825 79.35,107.9 v2(78.7,108.55)
  Bottom Layer w0.8: 9.425,84.925 12.225,87.725 v2(15.35,87.725) v2(15.925,87.725) 18.2,85.45 31.55,85.45 39.975,93.875 76.125,93.875 79.525,90.475 79.525,89.7 79.525,77.925 80.175,77.275 v2(80.225,77.275) v2(80.825,77.275)
  Bottom Layer w1: v2@9.975,81.875 v2@9.975,82.525 ; v2(15.1,24.65) v2(15.625,24.125) 18.725,21.025 19.475,20.275 v2(21.075,18.675) v2(21.525,18.225) ; v2(83.775,15.55) v2(84.425,15.55) 97.175,15.55 100.225,18.6
+VBUS: C15.2 JP1.1 P6.A4 P6.A9 Q6.3 R30.2 TP7.0 U4.5 | length 85.7
  Top Layer w0.3: v2(30.975,88.175) 31.05,88.175 31.013,88.212 31.087,88.212 33.775,90.9 TP7.0@33.875,90.9
  Top Layer w0.5: v2(61.7,96) 61.7,92.425 R30.2@66.525,87.6 ; C15.2@69.725,88.975 69.125,88.375 67.3,88.375 R30.2@66.525,87.6 ; U4.5@71.05,86.25 67.875,86.25 R30.2@66.525,87.6
  Top Layer w1: JP1.1@18.875,87.725 v2(20.025,87.725) v2@20.625,87.725 ; Q6.3@28.91,87.075 29.56,87.725 v2(30.525,87.725) v2(30.975,88.175)
  Bottom Layer w0.5: 61.625,95.2 61.7,95.275 v2(61.7,96)
  Bottom Layer w0.6: P6.A4@65.05,97.55 65.05,95.2 67.74,95.2 67.743,95.198 69.198,95.198 69.95,95.95 P6.A9@69.95,97.55
  Bottom Layer w1: v2(20.025,87.725) v2@20.625,87.725 ; v2@20.675,87.725 v2(30.525,87.725) 30.625,87.725 38.1,95.2 61.625,95.2 65.05,95.2
  other v2: 20.65,87.725